# Altium PCB Spektrop2_Sensor_Board_CMV4000_V1.PcbDoc (part 1 of 2)
Units mm, origin at the board's own origin, x right, y up, seen from the top; angles counter-clockwise.
Board outline 41.99 x 42.01 mm, 8 copper layers (TOP, L1-GND, L2, L3-1V8, L4-PWR, L5, L6-GND, BTM), stack 1.588 mm thick; 73 components, 88 nets, 406 pads, 294 vias.
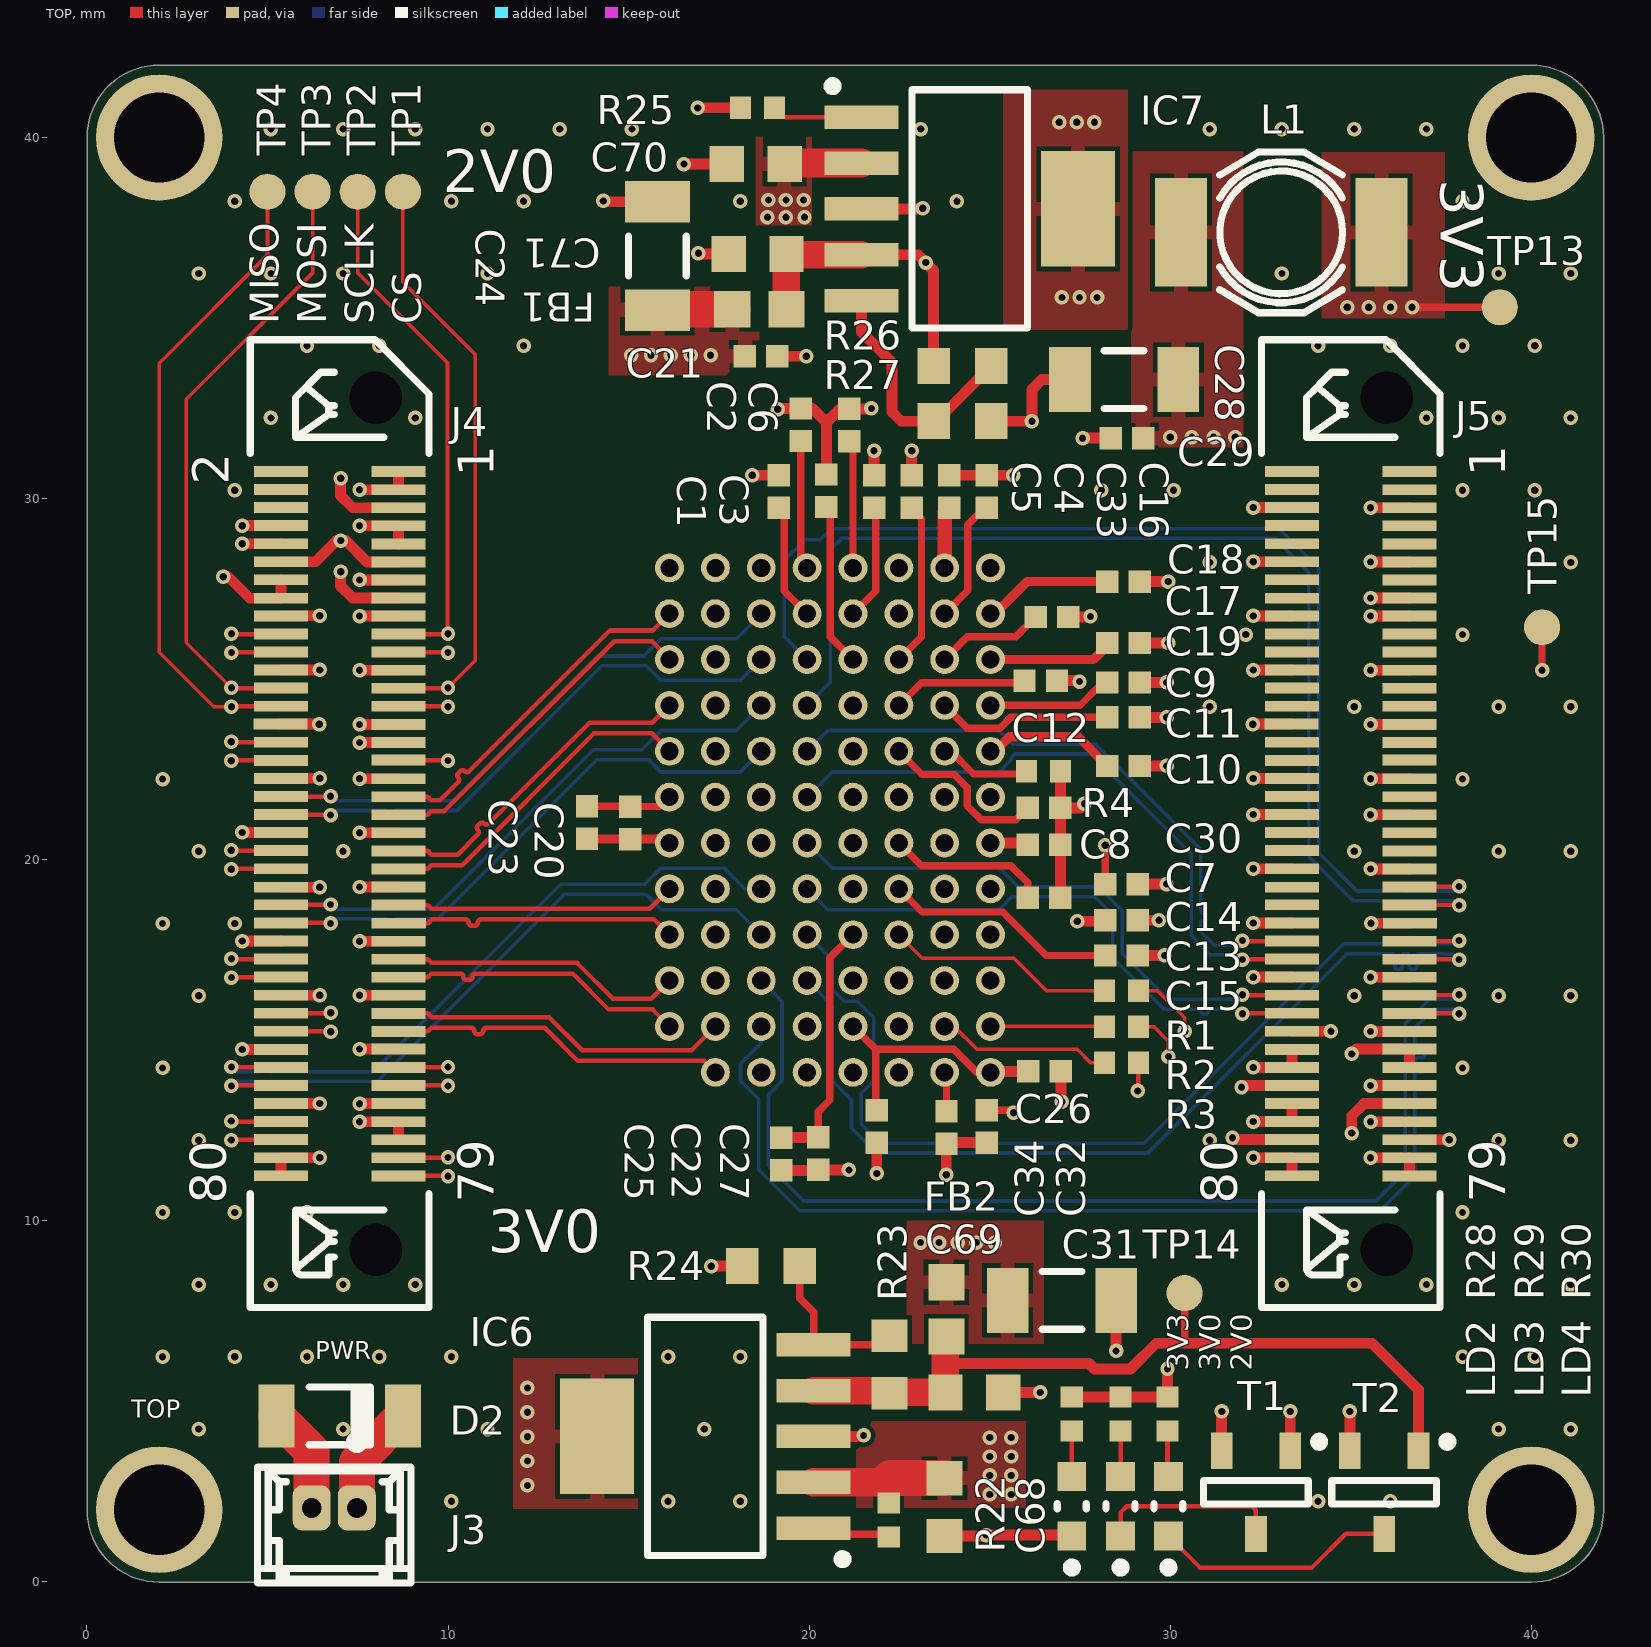
[diagram p0: TOP view]
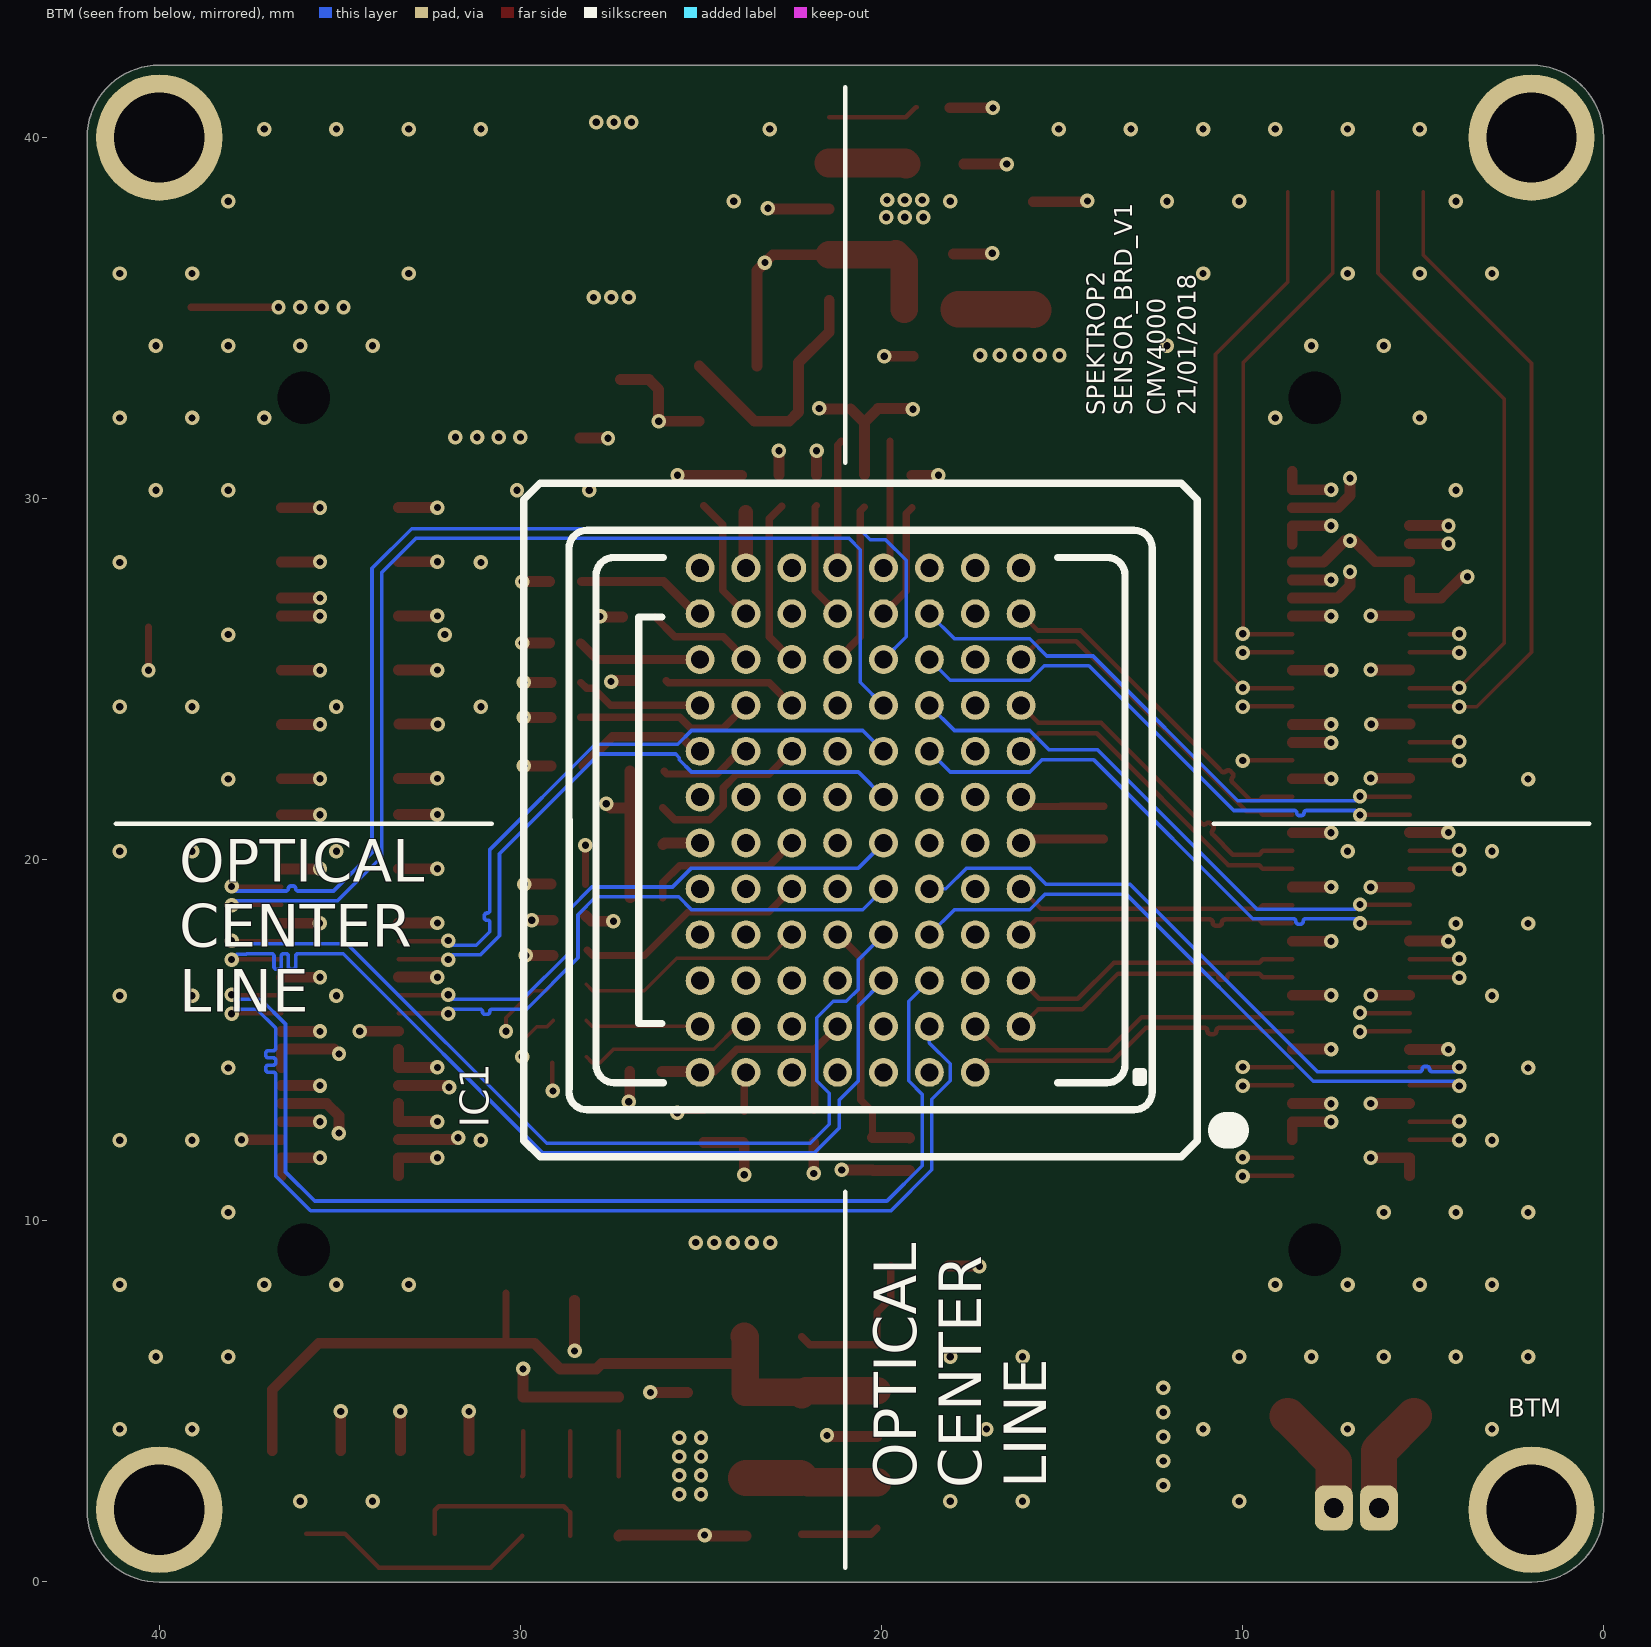
[diagram p1: BTM view, seen from below]
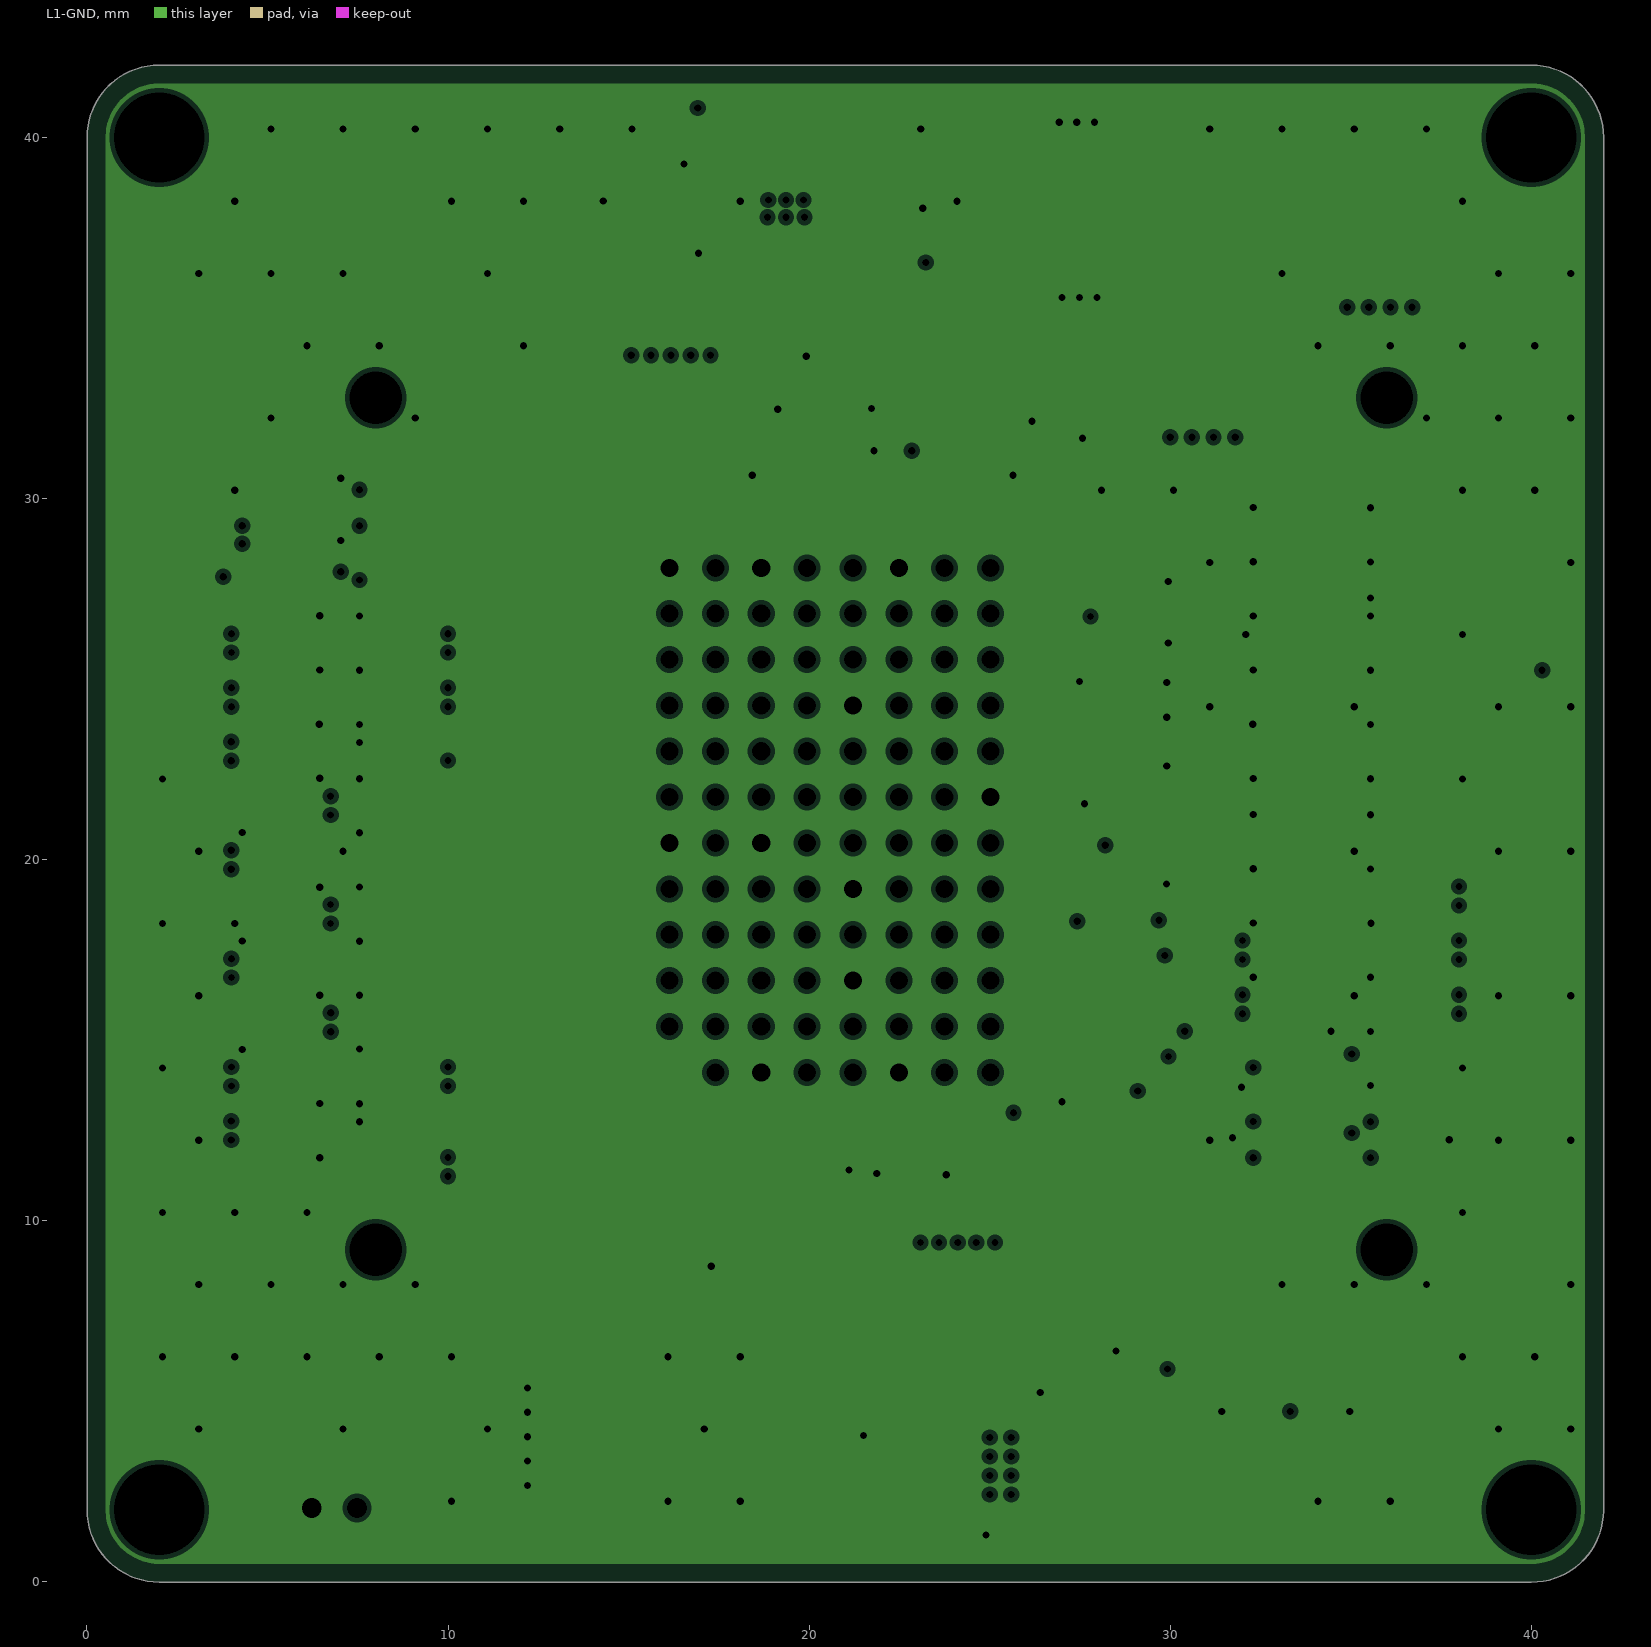
[diagram p2: L1-GND, clearances drawn from the general rule]
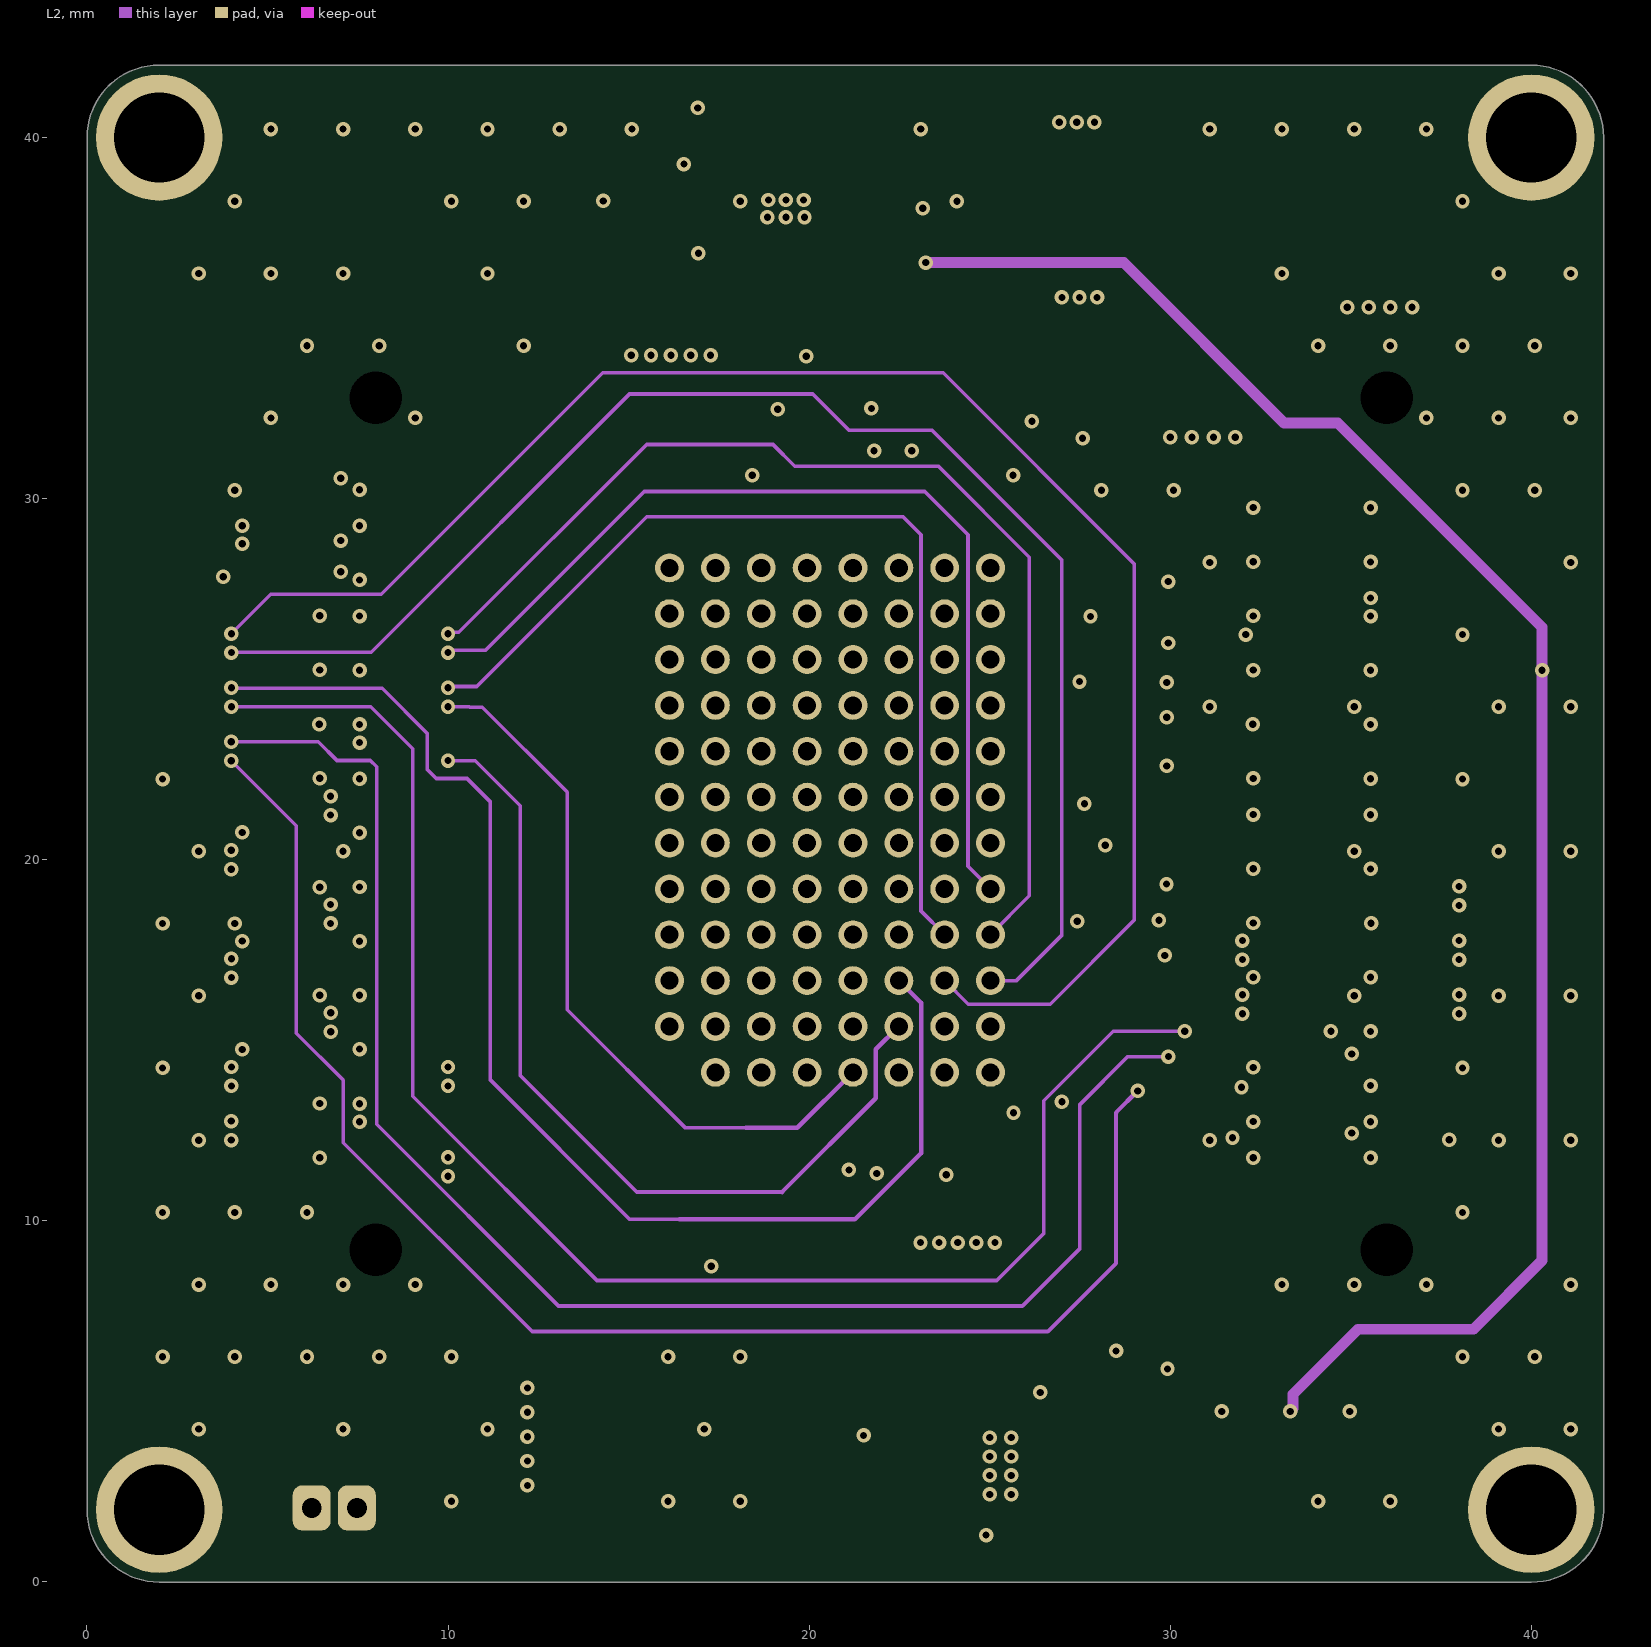
[diagram p3: L2]
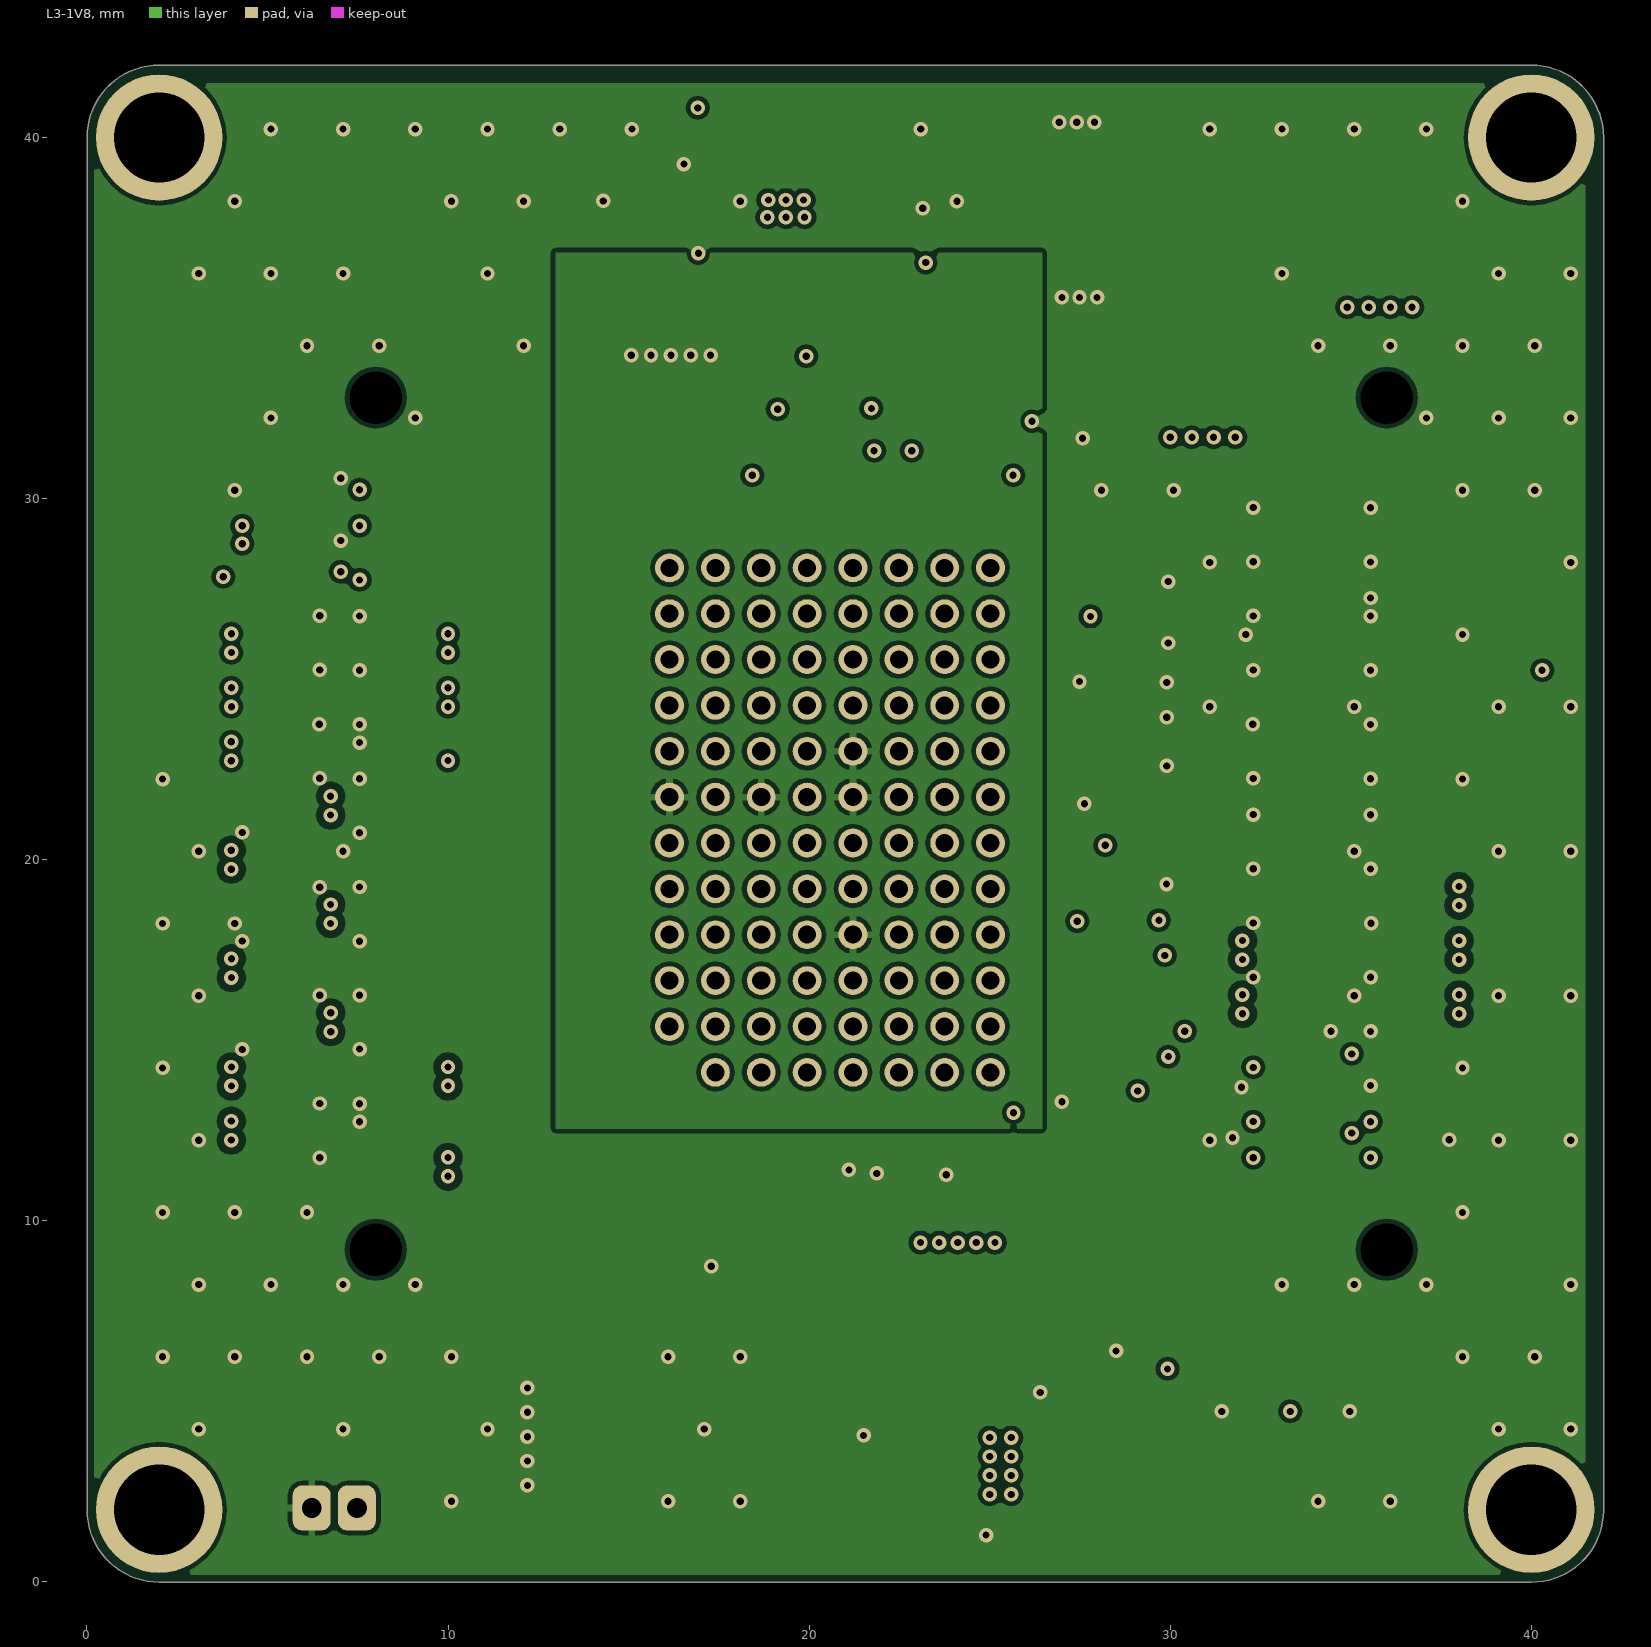
[diagram p4: L3-1V8]